# KiCad board fabiTEM.kicad_pcb (continued)
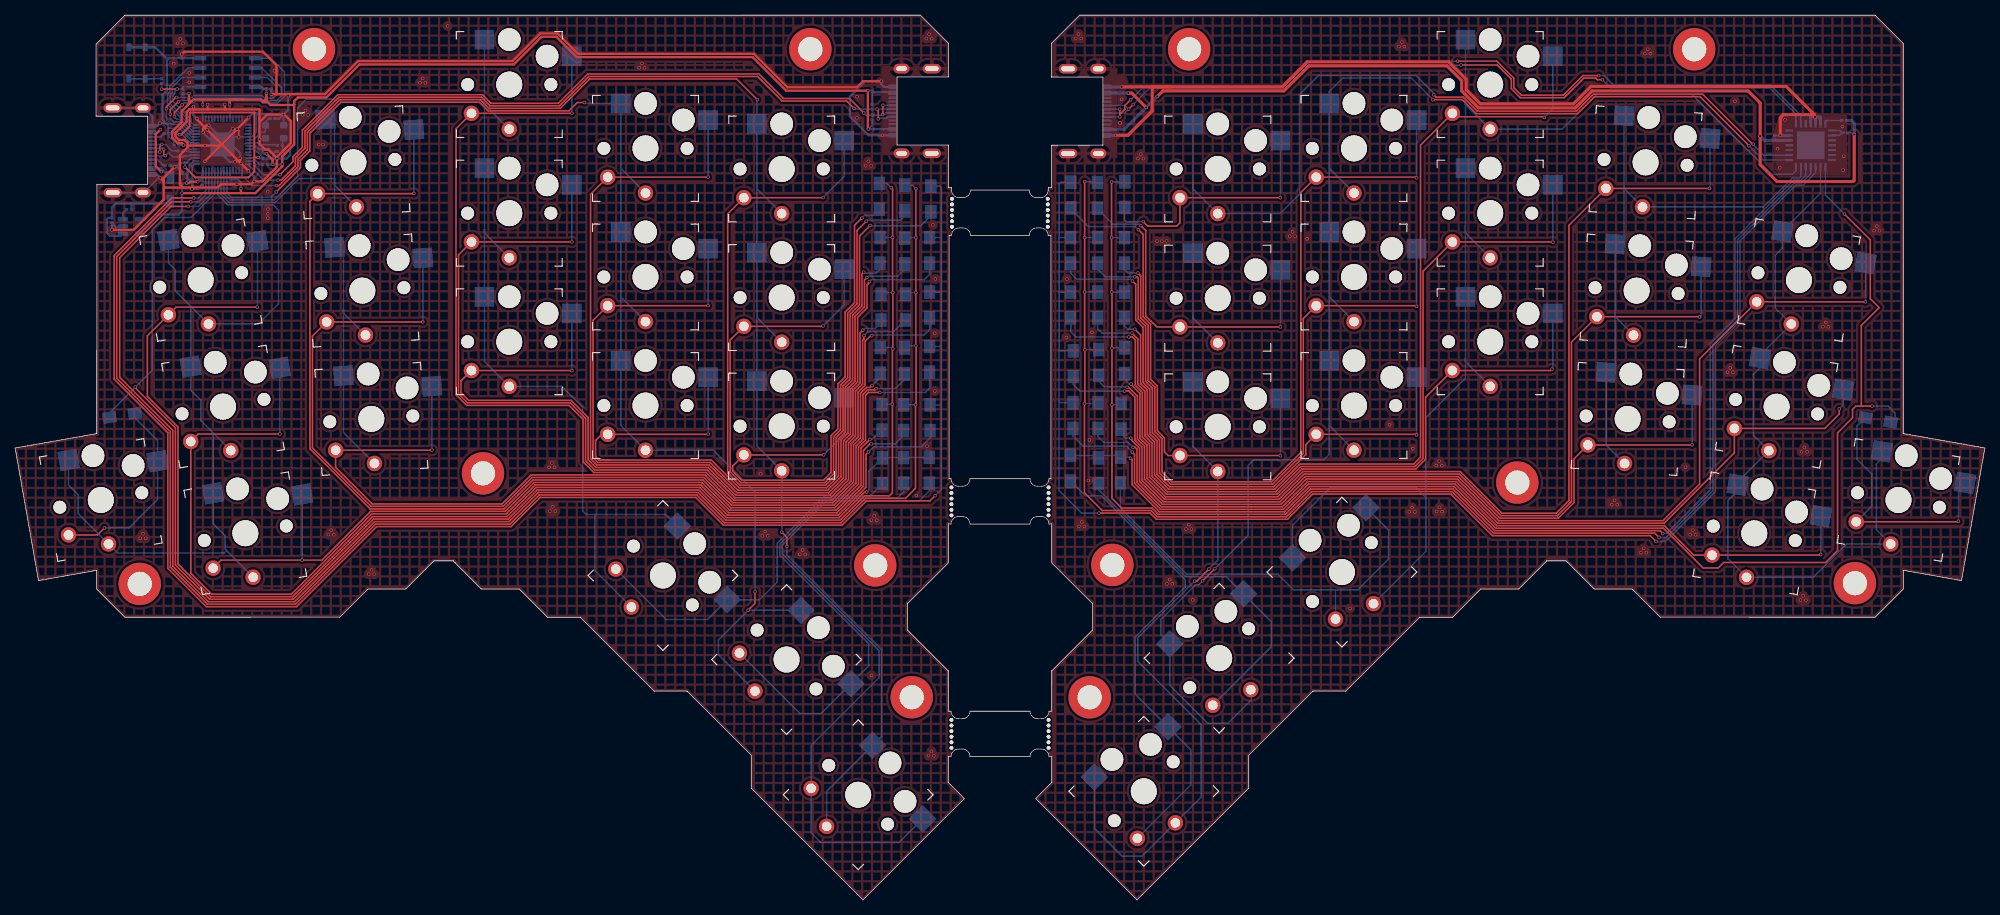
[diagram p0: board, top side]
## Routing (per net, layer and track width the routed paths; a pad name or vN(x,y) marks a point on that pad's centre or on a via; arc(x,y) is an arc through that point)
/+1.1V: length 39.4
  Top w0.25: v1(22.46,96.86) 23.81,95.51 30.84,95.51 31.61,96.28 31.61,98.14 ; 31.61,98.14 31.61,104.05 31.65,104.1 23.17,104.1 23.08,104 23.08,102.3 21.94,101.16 v1(21.73,101.16) ; 31.61,98.14 32.12,98.14 v1(32.13,98.15)
  Bottom w0.2: U2.50 23.16,100.06 22.06,101.16 v1(21.73,101.16) 21.32,101.16 C15.1 ; U2.45 23.25,98.06 23.06,97.87 ; C14.1 32.74,98.13 32.01,98.86 32,98.86 31.6,99.26 30.82,99.26
  Bottom w0.25: 23.06,97.87 22.61,97.42 C3.2 22.46,97.41 v1(22.46,96.86) ; v1(32.13,98.15) 32.26,98.02 C14.1
/+3.3V: length 195.3
  Top w0.2: v1(24.78,105.13) 24.78,105.81
  Top w0.3: 32.75,105.5 32.44,105.81 30.14,105.81 ; 32.75,105.5 33.21,105.96 v1(33.21,106.61) 33.21,105.62 33.33,105.5 ; 32.75,105.5 33.33,105.5 ; v1(22.65,94.76) 22.98,94.76 23.17,94.95 v1(24.14,94.95) ; v1(112.76,101.91) 112.69,101.98 112.69,104.23 112.68,104.24 v1(112.68,106.98) 101.88,106.98 97.45,111.41 74.2,111.41 71.5,114.11 69.56,114.11 65.9,110.45 45.49,110.45 41.12,106.08 37.36,106.08 36.88,105.6 36.88,105.18 ; v1(29.84,94.04) 29.84,93.43 ; 29.84,93.43 v1(22.05,93.43) ; 29.84,93.43 31.74,93.43 35.31,97 v1(35.31,97.28) 35.31,98.3 36.88,99.88 36.88,105.18 ; v1(28.35,105.13) 28.35,105.81 30.14,105.81 ; 33.33,105.5 33.75,105.08 36.78,105.08 36.88,105.18 ; 30.14,105.81 23.55,105.81 23.24,105.5 ; 23.24,105.5 22.97,105.78 22.97,105.85 ; 23.24,105.5 22.83,105.08 ; v1(33.22,98.64) 33.23,98.64 34.02,97.85 v1(34.02,97.25) ; 22.97,105.85 22.97,106.6 v1(22.98,106.61) ; 22.97,105.85 22.97,105.23 22.83,105.08 ; 22.83,105.08 22,104.26 22,102.82 20.75,101.57 20.75,100.76 21.49,100.01 22.02,100.01 v1(22.25,99.78)
  Bottom w0.2: C13.1 23.39,96.99 23.66,97.26 U2.43 ; U2.44 23.59,97.66 23.02,97.09 23.02,96.63 22.74,96.35 C4.2 ; R12.1 113.24,106.95 113.21,106.98 ; U2.10 C5.1 ; R11.1 113.24,102.39 v1(112.76,101.91) ; U2.1 C12.1 ; 24.79,105.12 v1(24.78,105.13) ; U2.49 23.09,99.66 22.33,100.42 21.75,100.42 C11.1 21.65,99.78 C17.1 22.24,99.77 v1(22.25,99.78) 22.57,99.78 23.09,99.26 U2.48
  Bottom w0.25: U2.42 24.79,95.83 ; U2.33 28.39,95.36 ; C12.1 24.79,105.12
  Bottom w0.3: 115.61,106.78 113.41,106.78 113.21,106.98 v1(112.68,106.98) ; 28.39,95.36 28.49,95.26 C9.1 29.4,95.26 29.84,94.83 v1(29.84,94.04) ; U2.22 31.74,99.66 32.16,99.24 C10.1 32.74,98.75 32.85,98.64 v1(33.22,98.64) ; v1(22.65,94.76) 22.63,94.74 22.07,94.74 22.07,93.45 v1(22.05,93.43) 22.05,91.02 21.63,90.6 19.02,90.6 U1.5 ; v1(22.65,94.76) 22.62,94.76 ; v1(22.65,94.76) 22.73,94.84 22.73,95.22 ; R3.1 33.36,97.24 34.01,97.24 ; C13.1 22.91,95.23 22.9,95.22 22.73,95.22 ; 34.01,97.24 35.27,97.24 v1(35.31,97.28) ; 34.01,97.24 v1(34.02,97.25) ; 22.73,95.22 22.73,96.01 C4.2 ; U3.8 32.59,107.46 32.84,107.21 C16.1 v1(33.21,106.61) ; v1(24.14,94.95) 24.33,95.14 C7.1 24.71,95.75 24.79,95.83 ; v1(112.76,101.91) 112.79,101.88 115.97,101.88 ; v1(28.35,105.13) 28.35,104.55 C5.1 ; R7.1 22.92,106.56 v1(22.98,106.61)
GND: length 328.5
  Top w0.2: v1(28.77,101.94) 28.82,101.89 v1(29.33,101.89) 29.55,101.67 v1(29.55,100.86) ; v1(25.43,105.13) 25.43,104.5
  Top w0.3: 35.76,99.36 34.58,98.18 v1(34.58,98) ; 35.76,99.36 35.36,98.97 ; 35.76,99.36 36.45,100.05 36.45,102.93 35.56,103.82 v1(35.46,103.82) 33.29,103.82 32.3,102.83 ; 19.62,94.14 19.62,92.56 15.65,88.58 v1(12.79,88.58) ; 19.62,94.14 19.66,94.17 23.43,94.17 ; 19.62,94.14 19.62,94.93 ; 22.8,99.72 v1(25.08,99.72) 27.16,99.72 ; 22.8,99.72 22.8,99.48 21.77,98.45 21.77,94.58 22.07,94.28 ; 22.8,99.72 22.8,100.07 22.42,100.44 21.67,100.44 21.18,100.94 21.18,101.39 22.67,102.89 22.67,104.17 23,104.5 23.57,104.5 ; 27.72,104.5 32.26,104.5 32.3,104.47 32.3,102.83 ; 27.72,104.5 v1(27.72,105.14) ; 27.72,104.5 23.57,104.5 ; v1(36.09,106.32) 36.28,106.51 36.34,106.51 ; v1(29.75,98.05) 29.75,97.78 29.58,97.61 ; 23.43,94.17 23.43,94.04 v1(23.37,93.98) ; 23.43,94.17 26.76,94.17 27.19,94.6 v1(29.29,94.6) 29.3,94.61 31.23,94.61 v1(31.6,94.98) 32.68,94.98 34.58,96.88 v1(34.58,98) ; 27.32,99.89 27.16,99.72 ; 27.32,99.89 27.32,99.87 ; 27.32,99.89 v1(29.33,101.89) v1(30.86,103.42) ; 27.16,99.72 25.08,97.64 v1(25.08,97.63) ; 34.53,109.6 v1(34.26,109.6) ; 34.53,109.6 34.53,110.35 32.76,112.12 22.34,112.12 v1(22.02,111.8) ; 34.53,109.6 34.53,106.51 ; 25.05,102.14 24.85,101.94 v1(24.85,101.48) ; 25.05,102.14 25.31,102.41 v1(25.58,102.41) ; 25.05,102.14 27.32,99.87 ; 25.05,102.14 24.01,103.18 v1(24.01,103.3) ; 32.3,102.83 v1(32.3,100.54) 32.3,99.93 33.04,99.19 33.44,99.19 34.58,98.06 v1(34.58,98) ; 23.57,104.5 23.57,104.85 v1(23.56,104.86) ; 27.32,99.87 29.62,97.57 ; v1(30.83,96.36) 29.62,97.57 ; 29.62,97.57 29.58,97.61 ; v1(19.19,95.45) 19.62,95.02 19.62,94.93 ; 29.58,97.61 29.1,97.61 v1(29.05,97.56) ; v1(21.08,96.9) 19.62,95.45 19.62,94.93 ; 34.53,106.51 33.87,106.51 v1(33.85,106.49) ; 34.53,106.51 36.34,106.51 ; 19.08,102.74 v1(19.14,102.68) ; 36.34,106.51 40.95,106.51 45.31,110.88 65.72,110.88 69.39,114.54 71.67,114.54 74.37,111.84 97.63,111.84 102.05,107.42 111.25,107.42 112.06,108.23 v1(114.46,108.23)
  Bottom w0.2: 20.22,102.24 20.22,102.43 ; 20.22,102.24 20.22,101.41 R10.2 ; 20.22,102.24 20.48,101.98 C15.2 ; R10.2 20.33,100.89 20.7,100.52 C11.2 20.98,100.49 20.98,99.81 C17.2 ; R10.2 20.31,101.3 ; 33.03,100.55 33.03,100.63 Y1.4 ; v1(25.37,101.82) 27.33,99.86 U2.57 ; U2.57 25.22,99.86 v1(25.08,99.72) ; U2.57 27.39,100.56 v1(28.77,101.94) ; U2.57 28.39,100.86 U2.19 31.26,100.86 31.88,101.48 31.88,103.95 31.9,103.97 ; 13,93.49 17,93.49 18.96,95.45 v1(19.19,95.45)
  Bottom w0.25: v1(25.43,105.13) C12.2
  Bottom w0.3: S1.4 S1.2 18.54,112.71 20.1,111.15 20.18,111.15 ; C10.2 33.53,99.24 34.1,98.67 ; 115.97,107.48 114.82,107.48 114.46,107.84 v1(114.46,108.23) 112.36,108.23 110.31,106.18 110.31,103.55 112.78,101.08 v1(114.62,101.08) 115.97,101.08 ; 20.09,102.56 19.46,103.19 19.46,106.41 20.06,107.01 20.06,111.02 20.18,111.15 ; 20.09,102.56 19.96,102.69 19.16,102.69 v1(19.14,102.68) 18.79,102.32 18.15,102.32 18.15,103.54 17,104.69 13,104.69 ; 20.09,102.56 20.22,102.43 ; v1(21.08,96.9) 21.42,96.9 22.1,96.22 C4.1 ; v1(21.08,96.9) 20.91,97.07 R9.2 ; v1(21.08,96.9) 21.29,96.9 C3.1 ; v1(30.83,96.36) 31.6,95.59 v1(31.6,94.98) ; 22.02,111.27 20.3,111.27 20.18,111.15 ; 22.02,111.27 v1(22.02,111.8) ; 22.02,111.27 U3.4 ; C14.2 33.4,98 34.26,98 ; v1(32.3,100.54) 32.93,100.54 Y1.4 ; v1(30.86,103.42) 31.41,103.97 31.9,103.97 31.95,103.92 35.36,103.92 v1(35.46,103.82) ; C7.2 24.19,93.98 v1(23.37,93.98) 23.39,94 C13.2 ; v1(19.19,95.45) 18.72,95.92 18.15,95.92 ; v1(24.01,103.3) 23.56,103.75 v1(23.56,104.86) ; C9.2 28.56,94.6 v1(29.29,94.6) ; v1(35.46,103.82) 36.09,104.45 v1(36.09,106.32) ; v1(35.46,103.82) 36.34,102.94 36.34,98.5 35.84,98 v1(34.58,98) 34.26,98 ; v1(35.46,103.82) 35.46,102.42 Y1.2 ; v1(35.46,103.82) 34.92,103.28 C1.2 ; 34.1,98.67 34.1,98.16 34.26,98 ; 34.1,98.67 34.39,98.96 C2.2 ; U1.2 14.15,88.95 13.35,88.95 C6.2 v1(12.79,88.58) ; v1(29.05,97.56) 28.35,97.56 27.39,98.52 U2.57 ; v1(29.75,98.05) 29.75,98.7 28.59,99.86 U2.57 ; v1(24.85,101.48) 24.85,101.43 26.42,99.86 U2.57 ; v1(25.58,102.41) 25.58,102.37 27.39,100.56 ; v1(27.72,105.14) 27.72,104.54 C5.2 ; v1(33.85,106.49) C16.2
  vias: v1(16.53,47.82) v1(16.9,48.39) v1(17.25,47.81) v1(20.96,110.53) v1(21.46,113.24) v1(21.83,113.81) v1(22.18,113.23) v1(23.02,109.31) v1(23.02,108.07) v1(29.83,97.36) v1(33.38,93.61) v1(33.4,91.3) v1(33.39,90.71) v1(33.39,90.13) v1(38,103.78) v1(38.37,104.35) v1(38.72,103.77) v1(40.12,99.86) v1(40.68,99.86) v1(41.39,48.29) v1(41.76,48.86) v1(42.11,48.28) v1(46.72,43.06) v1(47.09,43.63) v1(47.44,43.05) v1(53.49,108.02) v1(53.86,108.59) v1(54.21,108.01) v1(57.16,115.53) v1(70.56,57.19) v1(70.67,51.4) v1(70.93,57.76) v1(71.04,51.97) v1(71.28,57.18) v1(71.39,51.39) v1(82.46,110.01) v1(82.83,110.58) v1(83.18,110) v1(98.52,56.32) v1(98.74,48.13) v1(99.11,48.7) v1(99.46,48.12) v1(103.69,45.68) v1(104.06,46.25) v1(104.41,45.67) v1(111.26,106.18) v1(111.24,103.38) v1(112.38,97.06) v1(112.75,97.63) v1(113.1,97.05) v1(113.15,50.19) v1(113.16,29.68) v1(113.52,50.76) v1(113.87,50.18) v1(119.09,53.46) v1(120.41,113.87) v1(120.51,59.98) v1(120.71,19.06) v1(120.78,114.44) v1(121.08,19.63) v1(121.13,113.86) v1(121.27,89.24) v1(121.52,74.9) v1(121.43,19.05) v1(121.61,82.08) v1(121.53,67.26)
GNDR: length 127.3
  Top w0.4: v1(237.85,103.5) 237.54,103.81 ; 237.54,103.81 233.67,103.81 233.26,103.4 v1(233.26,101.07) ; 237.54,103.81 237.76,103.81 234.03,107.54 208.23,107.54 205.92,105.23 193.62,105.23 191.74,107.11 191.74,108.48 189.43,110.79 170.76,110.79 167.45,107.48 152.78,107.48 ; 152.78,107.48 v1(146.22,107.48) ; 152.78,107.48 150.26,107.48 150.26,104.28 147.05,101.07 v1(145.41,101.07) ; 146.22,105.84 v1(146.23,105.83) ; 146.01,102.69 v1(146.02,102.7)
  Bottom w0.2: 232.5,101.07 232.49,101.06 C8.2
  Bottom w0.3: v1(233.26,101.07) 232.5,101.07
  Bottom w0.4: v1(237.85,103.5) 237.29,103.5 237.28,103.49 237.28,102.6 ; v1(237.85,103.5) 237.95,103.4 237.93,103.38 237.93,102.6 ; v1(237.85,103.5) 238.53,103.5 238.58,103.45 238.58,102.6 ; 233.25,101.07 v1(233.26,101.07) 234.44,101.07 ; v1(145.41,101.07) 144.11,101.07 ; v1(146.22,107.48) 146.21,107.47 144.11,107.47
  vias: v1(138.92,74.34) v1(139,82.08) v1(140.16,113.89) v1(140.53,114.46) v1(140.58,49.37) v1(140.88,113.88) v1(140.95,49.94) v1(141.3,49.36) v1(141.81,55.45) v1(141.97,60.8) v1(142.3,75.03) v1(148.38,98.02) v1(148.75,98.59) v1(149.1,98.01) v1(150.89,87.08) v1(151.54,87.08) v1(152.17,87.1) v1(152.2,41.79) v1(152.57,42.36) v1(152.92,41.78) v1(154.73,49.02) v1(155.1,49.59) v1(155.45,49.01) v1(155.62,39.66) v1(168.44,87.74) v1(168.81,88.31) v1(169.16,87.73) v1(170.73,87.4) v1(176.4,38.53) v1(181.62,62.81) v1(182.87,112.82) v1(183.24,113.39) v1(183.59,112.81) v1(184.24,51.3) v1(184.61,51.87) v1(184.7,59.65) v1(184.96,51.29) v1(187.81,57.42) v1(187.85,51.33) v1(188.18,57.99) v1(188.22,51.9) v1(188.53,57.41) v1(188.57,51.32) v1(210.99,52.24) v1(211.36,52.81) v1(211.71,52.23) v1(214.85,45.91) v1(215.22,46.48) v1(215.37,111.88) v1(215.57,45.9) v1(215.74,112.45) v1(216.09,111.87) v1(220.72,57.2) v1(221.35,48.28) v1(221.72,48.85) v1(222.07,48.27) v1(226.28,69.76) v1(226.65,70.33) v1(227,69.75) v1(227.26,105.57) v1(232.89,99.3) v1(233.18,96.79) v1(233.88,103.13) v1(235.92,39.62) v1(236.07,59.24) v1(236.29,40.19) v1(236.44,59.81) v1(236.64,39.61) v1(236.79,59.23) v1(238.89,75.77) v1(239.26,76.34) v1(239.61,75.76) v1(241.46,102.24) v1(241.56,96.48) v1(241.63,98.31) v1(245.65,88.48) v1(246.02,89.05) v1(246.37,88.47)
VCCR: length 137.6
  Top w0.4: v1(149.47,104.75) 147.57,106.65 147.13,106.65 v1(147.11,106.67) ; v1(243.04,101.18) 243.02,101.16 243.02,95.13 242.86,94.97 232.82,94.97 230.59,97.2 v1(230.59,100.97) 230.59,105.36 229.01,106.94 208.38,106.94 206.14,104.7 193.4,104.7 191.16,106.94 191.16,108.31 189.21,110.26 170.98,110.26 167.67,106.95 151.67,106.95 v1(150.92,106.21)
  Bottom w0.2: v1(243.04,101.18) 242.81,101.41 242.05,101.41
  Bottom w0.4: 147.13,106.67 145.74,106.67 ; 145.74,106.67 v1(147.11,106.67) ; 145.74,106.67 144.11,106.67 ; v1(230.59,100.97) 231.15,100.41 C8.1 U5.5 ; v1(243.04,101.18) 243.04,102.67 242.67,103.04 242.01,103.04 ; 144.11,101.87 146.59,101.87 v1(149.47,104.75) v1(150.92,106.21)
/QSPI_CS: length 12.7
  Top w0.2: v1(19.36,107.18) 19.37,107.2 v1(21.4,107.2)
  Bottom w0.2: U2.56 23.58,102.46 23.28,102.77 23.28,103.17 22.27,104.17 22.22,104.17 20.81,105.58 20.81,106.28 21.1,106.57 21.1,106.89 v1(21.4,107.2) R7.2 22.18,107.47 22.19,107.48 24.45,107.48 U3.1 ; R8.2 v1(19.36,107.18)
/QSPI_SCK: length 27.2
  Top w0.2: v1(21.59,105.51) 21.55,105.51 20.51,104.47 v1(20.51,103.86)
  Bottom w0.2: U2.52 23.29,100.86 21.96,102.2 21.96,102.62 21.72,102.85 20.98,102.85 20.51,103.32 v1(20.51,103.86) ; U3.6 32.58,110 35.2,107.38 35.2,106.31 34.54,105.65 32.86,105.65 32.54,105.97 23.75,105.97 23.47,105.69 21.77,105.69 v1(21.59,105.51)
/QSPI_SD0: length 28.2
  Top w0.2: v1(22.07,105.1) 21.05,104.08 v1(21.05,103.52)
  Bottom w0.2: U3.5 33.78,111.27 35.59,109.46 35.59,106.23 34.68,105.32 32.73,105.32 32.41,105.64 23.88,105.64 23.6,105.36 22.33,105.36 v1(22.07,105.1) ; v1(21.05,103.52) 21.39,103.18 21.86,103.18 22.29,102.76 22.29,102.33 23.36,101.26 U2.53
/QSPI_SD1: length 11.6
  Bottom w0.2: U3.2 22.05,108.73 20.77,107.45 20.77,106.71 20.48,106.42 20.48,105.29 20.84,104.93 20.84,104.91 21.9,103.84 22.13,103.84 22.95,103.03 22.95,102.63 23.51,102.06 U2.55
/QSPI_SD2: length 13.1
  Bottom w0.2: U3.3 22.85,110 20.44,107.58 20.44,106.85 20.15,106.56 20.15,105.15 20.51,104.79 20.51,104.77 21.76,103.51 22,103.51 22.62,102.89 22.62,102.47 23.42,101.66 U2.54
/QSPI_SD3: length 26.9
  Top w0.2: v1(20.01,104.58) 20.01,104.88 21.2,106.08 v1(21.33,106.08)
  Bottom w0.2: U3.7 33.32,108.73 34.54,107.51 34.54,106.48 34.04,105.98 33,105.98 32.68,106.3 23.61,106.3 23.38,106.08 v1(21.33,106.08) ; U2.51 23.22,100.46 21.63,102.06 21.63,102.48 21.59,102.52 20.66,102.52 20.01,103.18 v1(20.01,104.58)
/USB_BOOT: length 4.3
  Bottom w0.2: S1.3 S1.1 18.34,108.56 18.36,108.57 R8.1
/XIN: length 4.7
  Bottom w0.2: U2.20 31.51,100.46 32.52,101.47 32.91,101.47 33.09,101.65 Y1.1 33.09,102.85 33.52,103.28 C1.1
/XOUT: length 4
  Bottom w0.2: R1.1 34.57,99.84 32.26,99.84 32.04,100.06 U2.21
COL0_L: length 122.1
  Bottom w0.2: SWL1.1 20.26,84.2 21.14,83.32 21.14,80.55 22.37,79.32 ; SWL16.1 7.06,54.81 8.34,53.54 8.34,51.06 SWL16.1 13.53,45.86 27.65,45.86 27.95,46.16 ; 27.95,46.16 SWL11.1 ; 27.95,46.16 27.75,46.36 27.75,48.15 26.16,49.73 SWL11.1 26.16,61.73 25.66,62.24 ; 22.37,79.32 23.21,78.48 SWL6.1 23.21,67.39 24.53,66.07 24.53,63.37 25.66,62.24 ; 22.37,79.32 SWL1.1 32.14,76.15 34.81,78.81 34.81,91.2 34.13,91.88 28.13,91.88 26.79,93.22 U2.37 ; 25.66,62.24 SWL6.1
COL0_R: length 98
  Bottom w0.2: SWR16.1 246.68,58.36 245.95,57.63 245.95,48.95 SWR16.1 242,47.05 237.59,42.64 SWR11.1 226.32,45.12 226.32,52.78 227.62,54.09 SWR11.1 227.62,55.27 SWR6.1 229.69,61.44 229.69,69.47 230.58,70.35 SWR6.1 230.58,72.01 SWR1.1 232.59,78.23 232.59,85.24 233.53,86.18 SWR1.1 238.57,93.41 238.57,96.93
COL1_L: length 77.7
  Bottom w0.2: 42.2,95.36 SWL7.1 43.39,85.07 43.39,78.1 ; 42.2,95.36 42.2,102.03 SWL2.1 ; 42.2,95.36 42.2,94.53 SWL2.1 ; 42.2,95.36 37.53,95.36 34.39,92.22 28.26,92.22 27.19,93.29 U2.36 ; SWL7.1 43.39,77.57 43.39,78.1 ; 43.39,78.1 SWL12.1 43.39,61.8 SWL12.1
COL1_R: length 79.1
  Bottom w0.2: SWR12.1 210.23,60.14 SWR12.1 211.42,70.93 211.42,77.16 ; SWR7.1 211.42,77.1 211.42,77.16 ; 211.42,77.16 SWR7.1 212.6,87.89 212.6,94.3 ; 212.6,94.3 212.6,94.05 SWR2.1 231.02,91.61 234.87,95.46 235.81,95.46 235.97,95.62 235.97,96.93 ; 212.6,94.3 SWR2.1
COL2_L: length 158.7
  Bottom w0.2: U2.35 27.59,93.35 28.39,92.55 34.25,92.55 37.33,95.62 37.33,104.73 38.44,105.84 62.02,105.84 ; 76.59,50.95 76.59,43.55 SWL17.1 ; 76.59,50.95 75.48,50.95 75,51.43 75,65.13 72.24,67.88 SWL13.1 62.02,71.16 SWL13.1 62.02,88.62 ; 76.59,50.95 85.94,50.95 SWL17.1 ; 62.02,106.11 SWL8.1 62.02,88.62 ; 62.02,106.11 SWL3.1 ; 62.02,106.11 62.02,105.84 ; 62.02,88.62 62.02,88.16 SWL8.1 ; 62.02,105.84 62.02,105.16 SWL3.1
COL2_R: length 167.4
  Bottom w0.2: 191.65,71.6 SWR13.1 191.65,89.19 ; 191.65,71.6 191.65,68.96 186.42,63.73 186.42,53.18 ; 191.65,71.6 191.65,71.16 SWR13.1 ; SWR17.1 168.8,49.52 173.81,54.52 185.08,54.52 186.42,53.18 ; 191.65,89.19 191.65,105.69 ; 191.65,89.19 191.65,88.16 SWR8.1 ; 191.65,105.69 SWR3.1 ; 191.65,105.69 191.65,105.16 SWR3.1 204.4,101.89 209,106.48 221.6,106.48 232.17,95.91 234.85,95.91 235.32,96.38 235.32,96.93 ; 186.42,53.18 186.42,46.08 SWR17.1
COL3_L: length 175.5
  Top w0.2: v1(34.51,93.59) 37.7,96.78 37.7,97.76 38.95,99.01 38.95,101.35 43.05,105.45 61.34,105.45 62.48,104.32 73.19,104.32 74.29,105.41 v1(75.24,105.41) ; v1(96.87,38.3) 97.78,39.2 v1(97.78,40.73)
  Bottom w0.2: 80.02,80.47 SWL9.1 80.02,97.58 ; 80.02,80.47 SWL14.1 80.02,62.72 SWL14.1 92.26,59.45 97.78,53.93 v1(97.78,40.73) ; 80.02,80.47 80.02,79.72 SWL9.1 ; SWL18.1 92.93,32.44 92.93,34.35 v1(96.87,38.3) SWL18.1 ; 80.02,97.58 SWL4.1 75.35,105.3 v1(75.24,105.41) ; 80.02,97.58 80.02,96.72 SWL4.1 ; U2.34 27.99,93.44 28.55,92.88 33.79,92.88 v1(34.51,93.59)
COL3_R: length 193.4
  Top w0.2: v1(187.36,105.79) 191.23,105.79 193.08,103.94 206.46,103.94 208.7,106.18 222.65,106.18 229.1,99.73 v1(229.1,99.7) ; v1(158.54,43.78) 156.92,42.16 v1(156.91,42.16)
  Bottom w0.2: 173.65,63.99 SWR14.1 173.65,80.24 ; 173.65,63.99 173.65,62.72 SWR14.1 ; 173.65,63.99 173.65,58.87 172.96,58.18 163.67,58.18 162.94,57.45 162.94,48.18 v1(158.54,43.78) ; SWR4.1 173.65,96.72 173.65,97.16 ; SWR18.1 163.36,27.7 163.36,26.44 160.26,23.34 157.6,23.34 152.58,28.36 SWR18.1 151.4,35.03 151.4,37.08 155.96,41.64 156.38,41.64 v1(156.91,42.16) ; 173.65,80.24 173.65,97.16 ; 173.65,80.24 173.65,79.72 SWR9.1 ; v1(187.36,105.79) 184.49,108.66 175.45,108.66 173.65,106.86 SWR4.1 173.65,97.16 ; v1(229.1,99.7) 230.99,97.81 U5.1
COL4_L: length 196
  Top w0.2: v1(98.07,105.79) 95.34,108.52 75.92,108.52 72.04,104.65 62.62,104.65 61.48,105.78 42.91,105.78 38.62,101.49 38.62,99.15 37.37,97.9 37.37,96.92 34.88,94.43 v1(34.53,94.43) ; v1(101.3,48.62) 101.98,47.93 v1(101.98,46.74)
  Bottom w0.2: v1(101.3,48.62) 101.3,49.28 SWL15.1 98.02,60 SWL15.1 98.02,77.92 ; SWL10.1 98.02,77 98.02,77.92 ; v1(34.53,94.43) 31.34,94.43 29.99,95.78 U2.29 ; 98.02,77.92 SWL10.1 98.02,94.73 ; SWL19.1 107.23,14.35 SWL19.1 114.5,21.62 114.5,33.08 101.98,45.59 v1(101.98,46.74) ; 98.02,94.73 98.02,94 SWL5.1 ; 98.02,94.73 SWL5.1 98.02,105.74 v1(98.07,105.79)
COL4_R: length 235.4
  Top w0.2: v1(157.77,43.75) 156.16,42.14 v1(155.86,42.14) ; v1(229.69,99.9) 229.6,99.9 222.99,106.51 208.56,106.51 206.32,104.27 193.22,104.27 191.37,106.12 187.77,106.12 v1(187.46,106.43)
  Bottom w0.2: SWR10.1 155.65,76.92 155.65,77.21 ; 155.65,77.21 155.65,94.83 ; 155.65,77.21 SWR15.1 155.65,59.92 SWR15.1 158.92,44.9 v1(157.77,43.75) ; 155.65,94.83 SWR5.1 ; 155.65,94.83 155.65,94 SWR5.1 167.16,90.73 169.71,93.27 169.71,106.46 172.24,108.99 185.1,108.99 187.46,106.63 v1(187.46,106.43) ; v1(229.69,99.9) 229.69,99.84 231.07,98.46 U5.2 ; v1(155.86,42.14) 148.36,34.64 148.36,31.55 156.72,23.19 ; 156.72,20.88 156.72,13.59 SWR19.1 148.9,5.77 146.31,5.77 142.62,9.45 SWR19.1 ; 156.72,20.88 156.72,23.19 ; 156.72,20.88 156.72,21.69 ; 156.72,23.19 156.72,21.69 ; 156.72,23.19 156.72,21.69
D+: length 5.8
  Top w0.2: v1(19.38,99.87) 19.13,99.62 v1(19.13,98.87)
  Bottom w0.2: R4.1 21.47,99.04 20.71,99.04 19.88,99.87 v1(19.38,99.87) 18.15,99.87 ; v1(19.13,98.87) 18.15,98.87
D-: length 6.5
  Top w0.2: v1(19.64,99.23) 19.64,98.52 19.77,98.39 v1(19.87,98.39)
  Bottom w0.2: v1(19.87,98.39) 19.87,98.51 ; v1(19.87,98.39) 20.19,98.71 20.36,98.71 20.84,98.23 R5.2 ; v1(19.87,98.39) 19.82,98.34 18.08,98.34 ; 18.08,99.34 18.11,99.37 19.5,99.37 v1(19.64,99.23)
ROW0_L: length 224
  Top w0.2: v1(121.57,53.43) 120.89,52.75 112.49,52.75 109.28,49.54 109.1,49.54 93.6,49.54 89.93,53.2 69.4,53.2 65.54,49.35 47.77,49.35 37.18,38.76 25.25,38.76 20.18,43.84 20.18,61.75 13.08,68.84 13.08,85.18 20.71,92.8 23.59,92.8 v1(23.6,92.79)
  Bottom w0.2: 122.4,73.26 122.4,80.44 ; 122.4,73.26 122.4,65.51 ; 122.4,73.26 122.3,73.16 DL2.1 ; 122.4,80.44 122.4,87.66 ; 122.4,80.44 122.31,80.36 DL3.1 ; DL4.1 122.3,87.56 122.4,87.66 ; DL1.1 122.32,65.43 122.4,65.51 ; 122.4,87.66 122.4,94.12 122.16,94.36 DL5.1 ; v1(23.6,92.79) 24.25,92.79 25.19,93.73 U2.41 ; v1(121.57,53.43) 122.4,54.26 122.4,65.51
ROW0_R: length 184.6
  Top w0.2: v1(217.73,48.43) 217.35,48.81 195.5,48.81 190,54.31 171.19,54.31 167.86,50.98 151.07,50.98 150.24,51.8 146.22,51.8 144.93,53.09 v1(144.93,65.46) 144.93,80.32 v1(144.91,80.34) 144.88,80.37 v1(144.88,87.56) v1(144.88,94.92)
  Bottom w0.2: v1(144.93,65.46) 145.98,65.46 DR1.1 ; DR4.1 146.59,87.56 v1(144.88,87.56) ; v1(144.91,80.34) 146.58,80.34 DR3.1 ; v1(144.93,72.92) 144.98,72.97 DR2.1 ; v1(217.73,48.43) 218.2,48.43 224.01,54.24 224.01,73.53 227.27,76.79 227.27,87.4 235,95.13 235.96,95.13 236.62,95.79 236.62,96.93 ; v1(144.88,94.92) 145.54,94.92 145.57,94.94 DR5.1
ROW1_L: length 220.2
  Top w0.2: v1(23.21,92.29) 20.67,92.29 13.41,85.04 13.41,68.98 20.51,61.88 20.51,43.98 25.39,39.09 37.05,39.09 47.63,49.68 65.41,49.68 69.26,53.53 90.07,53.53 93.74,49.87 109.14,49.87 112.36,53.08 117.65,53.08 118.98,54.41 v1(118.98,65.46) 119.05,65.53 119.05,73.23 v1(119.03,73.26) 119.03,80.57 ; v1(119.03,80.29) v1(119.03,87.56) v1(119.03,94.03)
  Bottom w0.2: U2.40 25.59,93.6 24.28,92.29 v1(23.21,92.29) ; DL7.1 117.78,73.26 v1(119.03,73.26) ; v1(118.98,65.46) 117.43,65.46 DL6.1 ; DL10.1 118.57,94.49 v1(119.03,94.03) ; DL9.1 117.63,87.56 v1(119.03,87.56) ; v1(119.03,80.29) 117.86,80.29 DL8.1
ROW1_R: length 189.5
  Top w0.2: v1(217.24,47.92) 216.68,48.48 195.37,48.48 189.87,53.98 171.33,53.98 167.99,50.65 150.93,50.65 150.1,51.47 143.66,51.47 141.3,53.83 v1(141.3,65.61) 141.35,65.66 v1(141.35,72.72) 141.33,72.75 v1(141.33,80.37) v1(141.33,87.56) v1(141.33,94.95)
  Bottom w0.2: v1(141.33,94.95) 141.35,94.92 142.93,94.92 DR10.1 ; DR6.1 142.98,65.61 v1(141.3,65.61) ; v1(141.35,72.72) 141.38,72.75 DR7.1 ; DR8.1 143.03,80.37 v1(141.33,80.37) ; DR9.1 143.04,87.56 v1(141.33,87.56) ; v1(217.24,47.92) 218.16,47.92 224.34,54.1 224.34,73.39 227.18,76.23 227.18,76.24 227.6,76.66 227.6,87.26 235.14,94.8 236.1,94.8 237.27,95.97 237.27,96.93
ROW2_L: length 217.2
  Top w0.2: v1(115.95,87.58) 115.95,93.98 v1(115.77,94.16) ; 115.95,87.71 115.95,80.32 v1(115.98,80.29) v1(115.98,72.85) 115.93,72.8 115.93,53.82 115.52,53.41 112.22,53.41 109,50.2 93.87,50.2 90.21,53.86 69.12,53.86 65.27,50.01 47.5,50.01 36.91,39.42 25.53,39.42 20.84,44.11 20.84,62.07 13.82,69.09 13.82,84.92 20.58,91.68 v1(22.87,91.68)
  Bottom w0.2: v1(115.98,80.29) 114.66,80.29 DL13.1 ; v1(115.98,72.85) 115.8,73.02 DL12.1 ; DL11.1 114.61,65.53 v1(115.93,65.53) ; v1(22.87,91.68) 24.24,91.68 25.99,93.43 U2.39 ; DL14.1 115.93,87.56 v1(115.95,87.58) ; DL15.1 115.22,94.72 v1(115.77,94.16)
ROW2_R: length 193.1
  Top w0.2: v1(216.84,47.38) 216.07,48.15 195.23,48.15 189.73,53.65 171.47,53.65 168.13,50.32 167.86,50.32 150.79,50.32 149.97,51.14 143.23,51.14 v1(143.22,51.13)
  Bottom w0.2: DR12.1 138.08,72.59 138.08,72.59 137.95,72.59 ; 137.94,65.78 137.98,65.73 DR11.1 ; 137.94,65.78 137.94,72.58 137.95,72.59 ; 137.94,65.78 137.94,54.1 140.91,51.13 v1(143.22,51.13) ; 137.95,72.59 137.95,80.29 ; 137.95,80.29 138.01,80.36 DR13.1 ; 137.95,80.29 137.95,87.5 ; 137.95,87.5 138,87.56 DR14.1 ; 137.95,87.5 137.95,94.62 138.2,94.87 DR15.1 ; 237.92,96.93 237.92,96.15 236.24,94.47 235.28,94.47 227.93,87.12 227.93,76.51 224.69,73.27 224.69,53.99 218.09,47.39 216.85,47.39 v1(216.84,47.38)
ROW3_L: length 180.1
  Top w0.2: v1(112.52,53.93) 112.27,53.93 108.87,50.53 94.01,50.53 90.34,54.19 68.99,54.19 65.13,50.34 47.36,50.34 36.77,39.75 25.7,39.75 21.18,44.28 21.18,62.39 15.88,67.69 v1(15.88,67.79)
  Bottom w0.2: U2.38 26.39,93.36 23.25,90.22 19.75,90.22 18.13,88.6 18.13,81.72 17.9,81.5 17.9,80.5 18.13,80.28 18.13,70.04 v1(15.88,67.79) 12.47,64.39 DL16.1 ; DL19.1 117.45,58.5 DL18.1 114.63,58.47 DL17.1 112.8,56.64 112.8,54.21 v1(112.52,53.93)
ROW3_R: length 175.8
  Top w0.2: v1(241.74,90.66) 245.15,87.25 245.15,79.47 246.33,78.29 243.96,75.92 243.96,65.28 ; 243.96,65.28 v1(245.39,65.28) ; 243.96,65.28 243.23,65.28 242.8,64.85 242.8,63.73 240.82,61.74 240.82,46.17 239.25,44.6 225.77,44.6 225.05,43.89 223.05,43.89 217.8,49.14 195.64,49.14 190.14,54.64 171.05,54.64 167.72,51.31 151.2,51.31 147.59,54.92 147.59,58.18 v1(147.4,58.37)
  Bottom w0.2: v1(241.74,90.66) 239.22,93.18 239.22,96.93 ; DR16.1 248.44,63.76 248.44,64.34 247.5,65.28 v1(245.39,65.28) ; v1(147.4,58.37) 147.22,58.55 DR17.1 145.86,58.76 DR19.1
SCLL: length 99.9
  Top w0.2: v1(114.06,103.24) 114.06,104.38 v1(113.89,104.55) ; v1(110.86,104.63) 109.88,105.61 101.35,105.61 98.11,108.85 75.79,108.85 71.91,104.98 62.75,104.98 61.62,106.11 42.77,106.11 38.29,101.63 38.29,99.36 37.04,98.11 37.04,97.06 35.13,95.15 v1(34.75,95.15)
  Bottom w0.2: v1(114.06,103.24) 114.14,103.32 115.14,103.32 115.35,103.53 115.97,103.53 ; v1(110.86,104.63) 110.96,104.53 113.22,104.53 R12.2 v1(113.89,104.55) 115.95,104.55 115.97,104.53 ; U2.28 30.82,97.17 32.84,95.15 v1(34.75,95.15)
SCLR: length 103.9
  Top w0.2: v1(147.14,104.53) v1(147.76,105.15) ; v1(191.06,110.37) 195.83,110.37 197.71,108.5 197.71,107.25 198.9,106.05 204.71,106.05 207.3,108.64 208.89,108.64 209.1,108.43 v1(209.76,108.43)
  Bottom w0.2: 144.11,104.02 146.63,104.02 v1(147.14,104.53) 147.14,104.54 146.66,105.02 144.11,105.02 ; v1(191.06,110.37) 191.02,110.33 170.95,110.33 167.91,107.29 149.9,107.29 v1(147.76,105.15) ; v1(209.76,108.43) 210.81,107.37 231.83,107.37 235.32,103.88 U5.8
SDAL: length 99.2
  Top w0.2: v1(114.64,103.82) 114.67,103.85 v1(114.67,105.05) ; v1(35,95.87) 36.71,97.58 36.71,98.24 37.96,99.49 37.96,101.76 42.64,106.44 61.75,106.44 62.89,105.31 71.77,105.31 75.65,109.18 98.3,109.18 101.54,105.94 110.25,105.94 112.14,104.06 v1(112.14,104.02)
  Bottom w0.2: v1(114.67,105.05) 114.69,105.03 115.97,105.03 ; v1(112.14,104.02) 112.42,103.74 R11.2 114.56,103.74 v1(114.64,103.82) 114.87,103.82 115.08,104.03 115.97,104.03 ; v1(35,95.87) 32.84,95.87 31.79,96.92 31.79,97.28 31.4,97.66 U2.27
SDAR: length 104.8
  Top w0.2: 145.97,104 146.13,104 146.64,104.51 146.64,105.01 v1(147.4,105.78) ; 145.97,104 v1(145.97,104.52) ; 145.97,104 v1(145.97,103.52) ; v1(209.27,108.97) 207.16,108.97 204.57,106.38 199.04,106.38 198.04,107.38 198.04,108.63 195.79,110.88 v1(190.6,110.88)
  Bottom w0.2: v1(147.4,105.78) 149.25,107.62 167.77,107.62 171.01,110.86 190.58,110.86 v1(190.6,110.88) ; v1(145.97,103.52) 144.11,103.52 ; v1(209.27,108.97) 209.96,108.97 211.23,107.7 231.96,107.7 235.98,103.69 235.98,102.6 ; v1(145.97,104.52) 144.11,104.52
Net-(C2-Pad1): length 1.8
  Bottom w0.2: Y1.3 35.32,100.52 35.32,99.75 R1.2 35.32,99.73 C2.1
Net-(D1-Pad2): length 10.5
  Top w0.3: v1(19.31,96.27) 18.58,97 18.58,101.21 v1(19.21,101.84)
  Bottom w0.3: D1.2 20.48,95.5 19.54,96.44 ; 19.54,96.44 19.37,96.27 v1(19.31,96.27) ; 19.54,96.44 19.26,96.72 18.15,96.72 ; v1(19.21,101.84) 18.89,101.52 18.15,101.52
Net-(DL1-A): length 173.1
  Top w0.2: v1(32,78.36) 31.99,78.36 21.27,78.36 SWL1.2 17.47,74.57 17.47,66.56 21.51,62.53 21.51,44.42 25.84,40.08 36.64,40.08 47.22,50.67 65,50.67 68.85,54.52 90.48,54.52 94.15,50.86 108.73,50.86 112.44,54.56 112.44,58.29 112.45,58.3 112.45,58.9 v1(112.78,59.23)
  Bottom w0.2: DL1.2 120.91,61.09 119.71,59.89 113.44,59.89 v1(112.78,59.23) ; SWL1.2 32.02,78.38 v1(32,78.36)
Net-(DL2-A): length 158.6
  Top w0.2: v1(114.25,67.09) 112.77,67.09 112.37,66.69 112.37,60.78 111.45,59.86 111.45,54.97 108.32,51.85 94.56,51.85 90.89,55.51 68.44,55.51 64.62,51.69 46.91,51.69 38.96,59.64 38.96,92.35 SWL2.2 52.67,93.37 v1(52.7,93.39)
  Bottom w0.2: SWL2.2 52.69,93.39 v1(52.7,93.39) ; v1(114.25,67.09) 120.29,67.09 120.85,67.64 DL2.2
Net-(DL3-A): length 151.1
  Top w0.2: v1(113.18,74.6) 113.08,74.6 112.32,73.84 112.32,68.05 111.38,67.11 111.38,61.19 110.46,60.27 110.46,55.38 107.91,52.84 94.97,52.84 91.3,56.5 76.47,56.5 75.05,57.92 75.05,63.52 73.19,65.38 59.66,65.38 58.26,66.78 58.26,101.95 SWL3.2 73.57,103.99 v1(73.57,103.99)
  Bottom w0.2: DL3.2 120.85,75.41 120.11,74.68 113.26,74.68 v1(113.18,74.6) ; v1(73.57,103.99) 73.57,103.99 SWL3.2
Net-(DL4-A): length 132.3
  Top w0.2: v1(91.57,95.56) 91.56,95.55 SWL4.2 76.04,93.29 76.04,58.33 76.88,57.49 91.71,57.49 95.38,53.83 107.5,53.83 109.47,55.79 109.47,60.68 110.39,61.6 110.39,67.52 111.33,68.46 111.33,77.01 112.57,78.25 112.57,81.29 112.77,81.49 112.77,81.63 v1(112.88,81.74)
  Bottom w0.2: v1(112.88,81.74) 113.13,81.99 120.14,81.99 120.85,82.69 DL4.2 ; SWL4.2 91.57,95.57 v1(91.57,95.56)
Net-(DL5-A): length 115.9
  Top w0.2: v1(106.77,92.85) 106.74,92.83 SWL5.2 94.16,90.69 94.16,56.45 95.79,54.82 107.09,54.82 108.48,56.2 108.48,61.09 109.4,62.01 109.4,67.93 110.34,68.87 110.34,77.43 111.58,78.67 111.58,87.75 v1(112.98,89.16)
  Bottom w0.2: DL5.2 121.01,90.48 119.66,89.13 113.01,89.13 v1(112.98,89.16) ; SWL5.2 109.57,95.66 v1(106.77,92.85)
Net-(DL6-A): length 148.8
  Top w0.2: v1(34.97,61.59) 24.19,61.59 SWL6.2 23.21,43.18 25.98,40.41 36.5,40.41 47.12,51.03 64.89,51.03 68.71,54.85 90.62,54.85 94.28,51.19 108.59,51.19 112.11,54.7 112.11,59.42 112.97,60.28 v1(113.12,60.28)
  Bottom w0.2: v1(34.97,61.59) 34.97,61.59 SWL6.2 ; v1(113.12,60.28) 116.29,60.28 117.4,61.39 DL6.2
Net-(DL7-A): length 137.1
  Top w0.2: v1(53.87,76.41) 53.86,76.41 SWL7.2 39.29,74.54 39.29,59.77 47.04,52.02 64.48,52.02 68.3,55.84 91.03,55.84 94.69,52.18 108.18,52.18 111.12,55.11 111.12,59.99 112.04,60.91 112.04,66.83 112.63,67.42 113.6,67.42 v1(113.77,67.59)
  Bottom w0.2: SWL7.2 53.88,76.42 v1(53.87,76.41) ; v1(113.77,67.59) 116.31,67.59 117.5,68.78 DL7.2
Net-(DL8-A): length 129.3
  Top w0.2: v1(73.57,86.99) 73.57,86.98 SWL8.2 58.59,85.28 58.59,66.92 59.8,65.71 73.33,65.71 75.38,63.66 75.38,58.06 76.6,56.83 91.44,56.83 95.1,53.17 107.77,53.17 110.13,55.52 110.13,60.4 111.05,61.32 111.05,67.25 111.99,68.19 111.99,73.98 112.17,74.16 v1(112.17,74.6)
  Bottom w0.2: DL8.2 116.09,75.12 112.69,75.12 v1(112.17,74.6) ; v1(73.57,86.99) 73.57,86.99 SWL8.2
Net-(DL9-A): length 110.9
  Top w0.2: v1(91.57,78.56) 91.55,78.55 SWL9.2 76.37,76.62 76.37,58.47 77.01,57.82 91.85,57.82 95.51,54.16 107.36,54.16 109.14,55.93 109.14,60.81 110.06,61.74 110.06,67.66 111,68.6 111,77.16 112.24,78.4 112.24,81.96 v1(112.55,82.27)
  Bottom w0.2: DL9.2 117.55,83.39 116.61,82.45 112.73,82.45 v1(112.55,82.27) ; v1(91.57,78.56) 91.57,78.57 SWL9.2
